# Altium PCB Mynd_Main.PcbDoc (part 2 of 5)
Units mm, origin at the board's own origin, x right, y up, seen from the top; angles counter-clockwise.
Board outline 75 x 136 mm, 4 copper layers (Component Side, Mid Layer 1, Mid Layer 2, Solder Side), stack 1.58 mm thick; 561 components, 261 nets, 1529 pads, 1417 vias.
Unrouted connection lines stored in the file: 7.
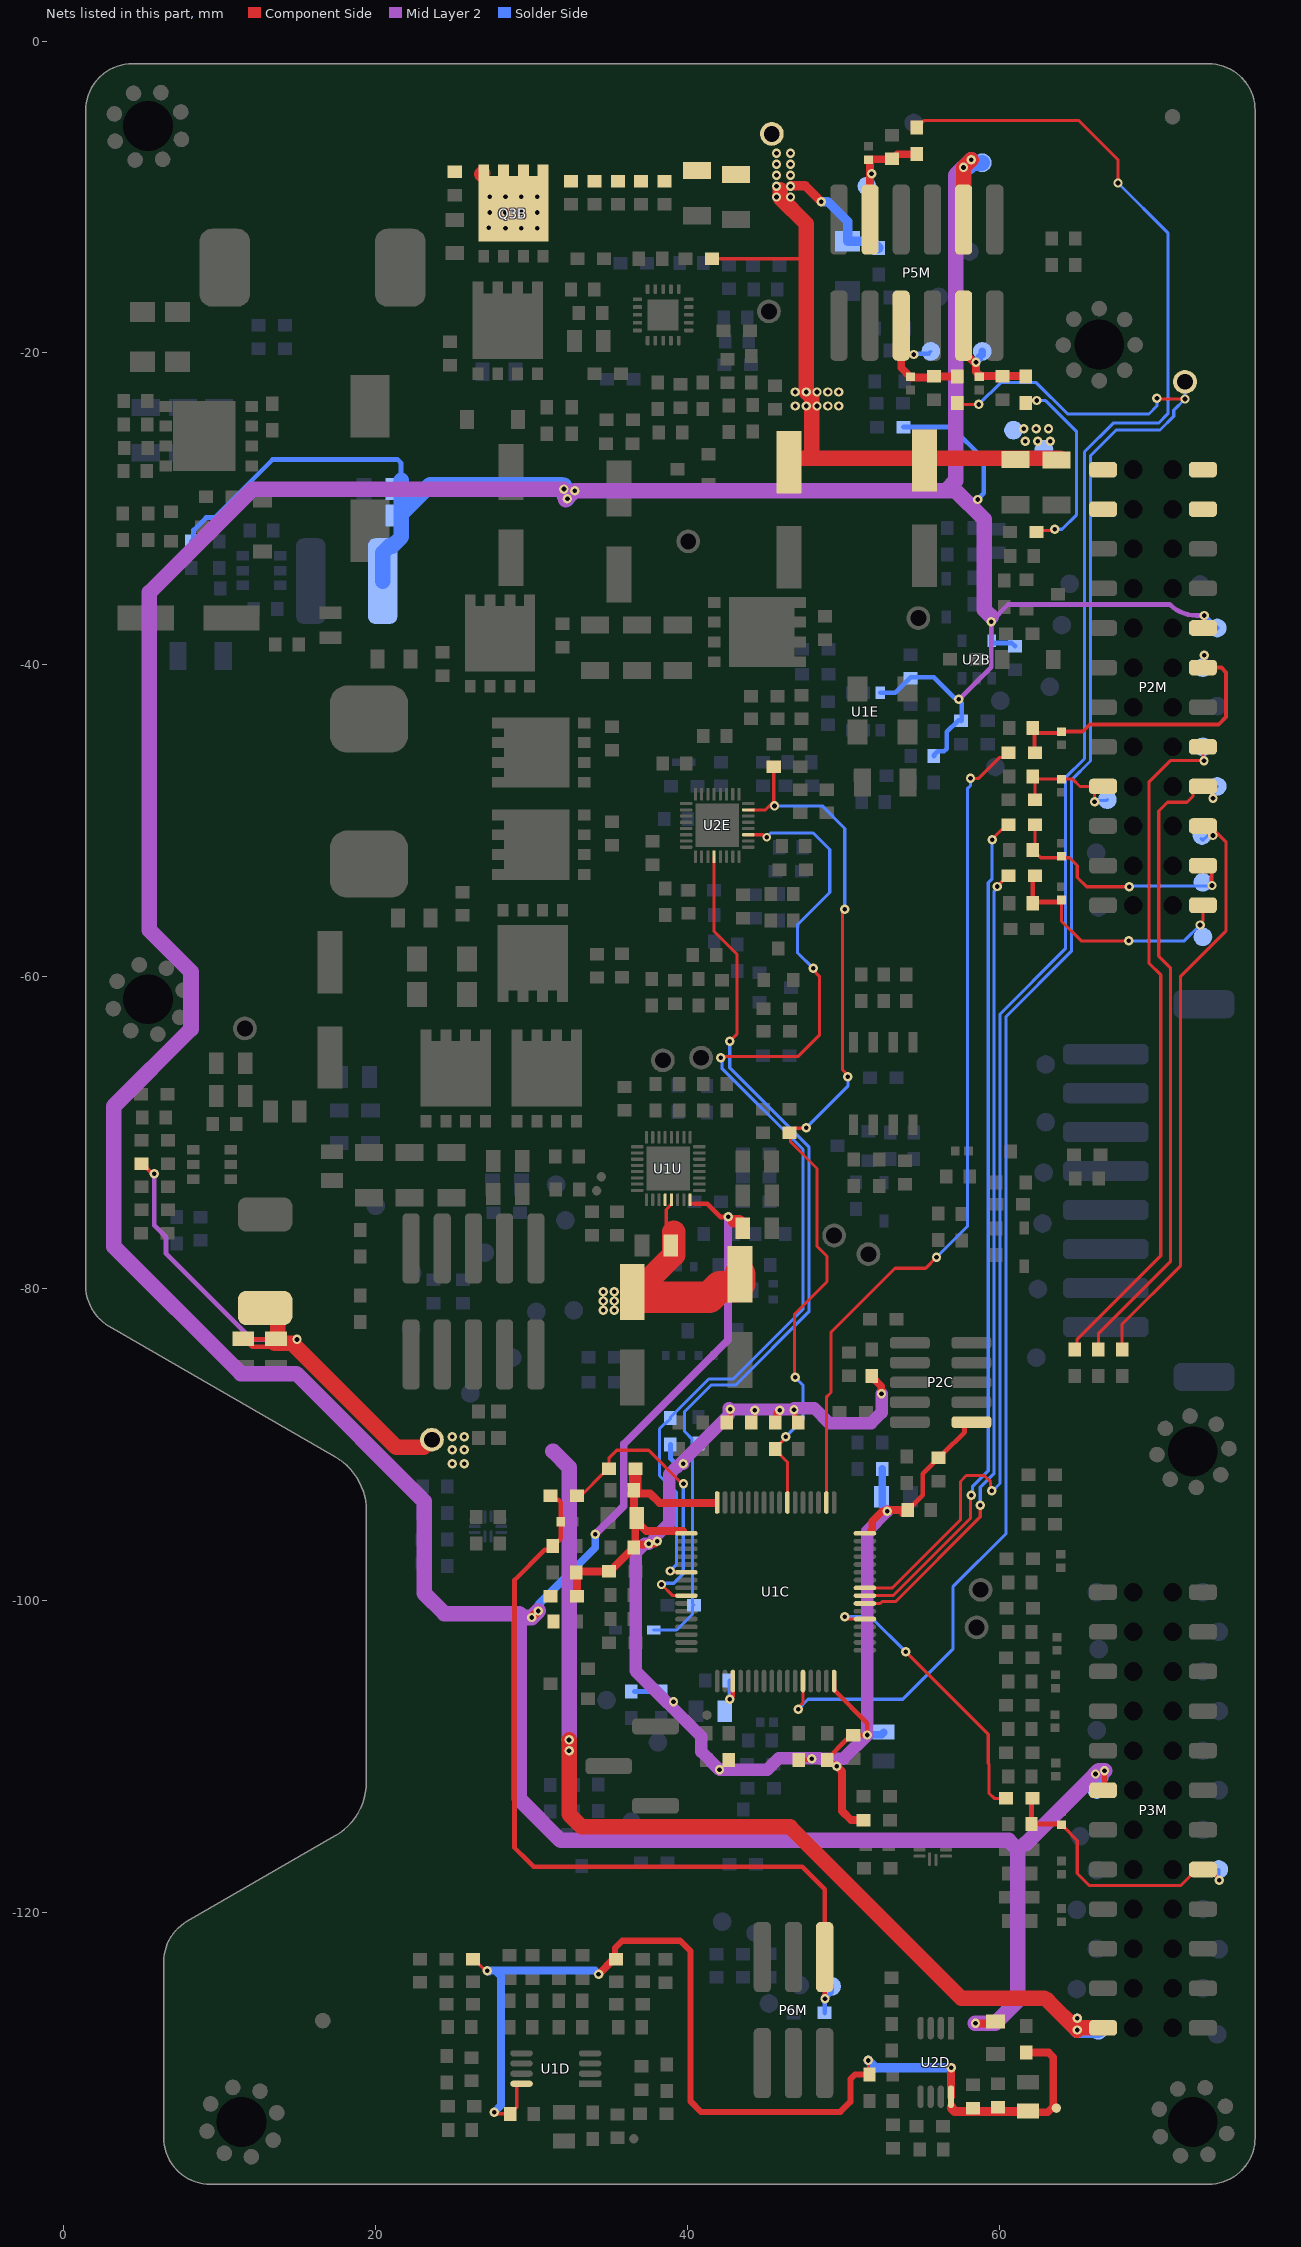
[diagram p4: the nets of this part, all layers, seen from the top]

## Part data
C1B: library part P-001-0080-19, "PSHF SMD M CAP 2.2nF 50V ±10% 0603 X7R", Manufacturer="Multi Sourced", Temp_Coefficient=X7R, Tolerance=±10%, Voltage=50V, Part_Number=Generic, Part_Type="Capacitor ceramic SMT", TemperatureRange=X7R
C1C C6B C7B C9E C12E C17C C18B C19B C20B C22C C24C C24E C26C C26E C27C C27E C28C C29C C30C C31C C33C C40E C41E C44E C50E C51E: library part P-001-0074-61, "PSHF SMD M CAP 100nF 50V ±10% 0603 X7R", Manufacturer="Multi Sourced", Temp_Coefficient=X7R, Tolerance=±10%, Voltage=50V, Part_Number=Generic, Part_Type="Capacitor ceramic SMT", TemperatureRange=X7R
C1D C8D C10D C14D C32B: library part P-001-0386-16, "PSHF SMD M CAP 47pF 50V ±5% 0603 NPO", Manufacturer="Multi Sourced", Temp_Coefficient=NPO, Tolerance=±5%, Voltage=50V, Part_Number=Generic, Part_Type="Capacitor ceramic SMT", TemperatureRange=NPO
C1E C7E C8E C13E C14B C14E C15B C15E C16B C28E: library part P-001-0195-15, "PSHF SMD M CAP 22uF 25V ±20% 1206 X5R", Manufacturer="Multi Sourced", Temp_Coefficient=X5R, Tolerance=±20%, Voltage=25V, Part_Number=Generic, Part_Type="Capacitor ceramic SMT", TemperatureRange=X5R
C1U C26B: library part P-001-0169-16, "PSHF SMD M CAP 4.7uF 25V ±10% 0805 X7R", Manufacturer="Multi Sourced", Temp_Coefficient=X7R, Tolerance=±10%, Voltage=25V, Part_Number=Generic, Part_Type="Capacitor ceramic SMT", TemperatureRange=X7R
C2B C11E: library part P-001-0073-48, "PSHF SMD M CAP 1nF 50V ±10% 0603 X7R", Manufacturer="Multi Sourced", Temp_Coefficient=X7R, Tolerance=±10%, Voltage=50V, Part_Number=Generic, Part_Type="Capacitor ceramic SMT", TemperatureRange=X7R
C2C C3C C4C C5C C6C C7C C8C C9C C10C C11C C12C C13C C14C C15C C16C C20C C21C C33E: library part P-001-0394-18, "PSHF SMD M CAP 33pF 50V ±5% 0603 NPO", Manufacturer="Multi Sourced", Temp_Coefficient=NPO, Tolerance=±5%, Voltage=50V, Part_Number=Generic, Part_Type="Capacitor ceramic SMT", TemperatureRange=NPO
C2D: library part P-001-0091-32, "PSHF SMD M CAP 4.7nF 50V ±10% 0603 X7R", Manufacturer="Multi Sourced", Temp_Coefficient=X7R, Tolerance=±10%, Voltage=50V, Part_Number=Generic, Part_Type="Capacitor ceramic SMT", TemperatureRange=X7R
C2E C3E: library part P-001-0381-16, "PSHF SMD M CAP 30pF 50V ±5% 0603 NPO", Manufacturer="Multi Sourced", Temp_Coefficient=NPO, Tolerance=±5%, Voltage=50V, Part_Number=Generic, Part_Type="Capacitor ceramic SMT", TemperatureRange=NPO
C2U C3U C23E: library part P-001-0174-47, "PSHF SMD M CAP 1uF 50V ±10% 0805 X7R", Manufacturer="Multi Sourced", Temp_Coefficient=X7R, Tolerance=±10%, Voltage=50V, Part_Number=Generic, Part_Type="Capacitor ceramic SMT", TemperatureRange=X7R
C3B C7D C10E C25E C30B: library part P-001-0058-45, "PSHF SMD M CAP 10nF 50V ±10% 0603 X7R", Manufacturer="Multi Sourced", Temp_Coefficient=X7R, Tolerance=±10%, Voltage=50V, Part_Number=Generic, Part_Type="Capacitor ceramic SMT", TemperatureRange=X7R
C3D C6D C11D C13D: library part P-001-0035-30, "GPHF SMD M CAP 100nF 25V ±10% 0603 X7R", Manufacturer="Multi Sourced", Temp_Coefficient=X7R, Tolerance=±10%, Voltage=25V, Part_Number=Generic, Part_Type="Capacitor ceramic SMT", TemperatureRange=X7R
C4B C5B C13B C13U C14U C16D C17D C18D C19U C34B: library part P-001-0035-28, "PSHF SMD M CAP 100nF 25V ±10% 0603 X7R", Manufacturer="Multi Sourced", Temp_Coefficient=X7R, Tolerance=±10%, Voltage=25V, Part_Number=Generic, Part_Type="Capacitor ceramic SMT", TemperatureRange=X7R
C4D C12D: library part P-001-0069-18, "PSHF SMD M CAP 470nF 25V ±10% 0603 X7R", Manufacturer="Multi Sourced", Temp_Coefficient=X7R, Tolerance=±10%, Voltage=25V, Part_Number=Generic, Part_Type="Capacitor ceramic SMT", TemperatureRange=X7R
C4E: library part P-001-0142-39, "PS SMD COND ELECT 220uF 35V ±20% 105℃", Manufacturer=Multi-Sourced, TemperatureRange=105℃, Tolerance=±20%, Voltage=35V, Part_Number=Generic, Part_Type="Capacitor electrolytic SMT"
C4U C7U C9D C9U C11U C15D C23C C25C C32C C35C: library part P-001-0158-27, "PSHF SMD M CAP 10uF 16V ±10% 0805 X7R", Manufacturer="Multi Sourced", Temp_Coefficient=X7R, Tolerance=±10%, Voltage=16V, Part_Number=Generic, Part_Type="Capacitor ceramic SMT", TemperatureRange=X7R
C5D: library part P-001-0048-15, "PSHF SMD M CAP 150nF 25V ±10% 0603 X7R", Manufacturer="Multi Sourced", Temp_Coefficient=X7R, Tolerance=±10%, Voltage=25V, Part_Number=Generic, Part_Type="Capacitor ceramic SMT", TemperatureRange=X7R
C5E C6E: library part P-001-0307-14, "PS SMD COND ELECT 47uF 35V ±20% 105℃", Manufacturer=Multi-Sourced, TemperatureRange=105℃, Tolerance=±20%, Voltage=35V, Part_Number=Generic, Part_Type="Capacitor electrolytic SMT"
C5U C6U: library part P-001-0308-17, "PS SMD COND ELECT 100uF 16V ±20% 105℃", Manufacturer="Multi Sourced", TemperatureRange=105℃, Tolerance=±20%, Voltage=16V, Part_Number=Generic, Part_Type="Capacitor electrolytic SMT"
C8B C9B C21B C22B C43E: library part P-001-0200-18, "PSHF SMD M CAP 10uF 50V ±10% 1206 X5R", Manufacturer="Multi Sourced", Temp_Coefficient=X5R, Tolerance=±10%, Voltage=50V, Part_Number=Generic, Part_Type="Capacitor ceramic SMT", TemperatureRange=X5R
C8U: library part P-001-0127-42, "GPHF $ SMD M CAP 2.2uF 50V ±10% 0805 X5R", Manufacturer="Multi Sourced", Temp_Coefficient=X5R, Tolerance=±10%, Voltage=50V, Part_Number=Generic, Part_Type="Capacitor ceramic SMT", TemperatureRange=X5R
C10B C12B: library part P-001-0775-3, "SMD COND ELECT 220μF 35V ±20% 105°C SHOUKE", Manufacturer=Multi-Sourced, TemperatureRange=105°C, Tolerance=±20%, Voltage=35V, Part_Number=Generic, Part_Type="Capacitor electrolytic SMT"
C10U C12U: library part P-001-0636-13, "PSHF SMD M CAP 330pF 50V ±10% 0603 X7R", Manufacturer="Multi Sourced", Temp_Coefficient=X7R, Tolerance=±10%, Voltage=50V, Part_Number=Generic, Part_Type="Capacitor ceramic SMT", TemperatureRange=X7R
C11B: library part P-001-0735-6, "GPHF SMD COND ELECT 330μF 35V ±20% -40-+105℃ 10x10.5mm", Manufacturer=Multi-Sourced, TemperatureRange=-40-+105℃, Tolerance=±20%, Voltage=35V, Part_Number=Generic, Part_Type="Capacitor electrolytic SMT"
C15U C18U: library part P-001-0008-46, "GPHF SMD M CAP 100nF 50V ±5% 0603 X7R", Manufacturer="Multi Sourced", Temp_Coefficient=X7R, Tolerance=±5%, Voltage=50V, Part_Number=Generic, Part_Type="Capacitor ceramic SMT", TemperatureRange=X7R
C16E C17E: library part P-001-0095-32, "PSHF SMD M CAP 33nF 50V ±10% 0603 X7R", Manufacturer="Multi Sourced", Temp_Coefficient=X7R, Tolerance=±10%, Voltage=50V, Part_Number=Generic, Part_Type="Capacitor ceramic SMT", TemperatureRange=X7R
C16U C17U: library part P-001-0387-48, "GPHF SMD M CAP 330pF 50V ±5% 0603 NPO", Manufacturer="Multi Sourced", Temp_Coefficient=NPO, Tolerance=±5%, Voltage=50V, Part_Number=Generic, Part_Type="Capacitor ceramic SMT", TemperatureRange=NPO
C17B C28B: library part P-001-0393-16, "PSHF SMD M CAP 470pF 50V ±5% 0603 NPO", Manufacturer="Multi Sourced", Temp_Coefficient=NPO, Tolerance=±5%, Voltage=50V, Part_Number=Generic, Part_Type="Capacitor ceramic SMT", TemperatureRange=NPO
C18C C21D C22D C23D C24D: library part P-001-0647-10, "GPHF SMD CAP 470pF 50V 10%", Manufacturer="Multi Sourced", Temp_Coefficient=X7R, Tolerance=±10%, Voltage=50V, Part_Number=Generic, Part_Type="Capacitor ceramic SMT", TemperatureRange=X7R
C18E C20E: library part P-001-0094-25, "PSHF SMD M CAP 47nF 50V ±10% 0603 X7R", Manufacturer="Multi Sourced", Temp_Coefficient=X7R, Tolerance=±10, Voltage=50V, Part_Number=Generic, Part_Type="Capacitor ceramic SMT", TemperatureRange=X7R
C19C C36C: library part P-001-0244-44, "GPHF SMD M CAP 22pF 50V ±5% 0603 NPO", Manufacturer="Multi Sourced", Temp_Coefficient=NPO, Tolerance=±5%, Voltage=50V, Part_Number=Generic, Part_Type="Capacitor ceramic SMT", TemperatureRange=NPO
C19D C20D: library part P-001-0407-39, "GPHF SMD M CAP 4.7uF 16V ±10% 0603 X5R", Manufacturer="Multi Sourced", Temp_Coefficient=X5R, Tolerance=±10%, Voltage=16V, Part_Number=Generic, Part_Type="Capacitor ceramic SMT", TemperatureRange=X5R
C19E C21E: library part P-001-0063-16, "PSHF SMD M CAP 150pF 50V ±10% 0603 X7R", Manufacturer="Multi Sourced", Temp_Coefficient=X7R, Tolerance=±10%, Voltage=50V, Part_Number=Generic, Part_Type="Capacitor ceramic SMT", TemperatureRange=X7R
C22E: library part P-001-0125-21, "PSHF SMD M CAP 470nF 50V ±10% 0603 X7R", Manufacturer="Multi Sourced", Temp_Coefficient=X7R, Tolerance=±10%, Voltage=50V, Part_Number=Generic, Part_Type="Capacitor ceramic SMT", TemperatureRange=X7R
C23B C32E C33B C36E C37E C38E: library part P-001-0637-10, "PSHF SMD M CAP 100pF 50V ±10% 0603 X7R", Manufacturer="Multi Sourced", Temp_Coefficient=X7R, Tolerance=±10%, Voltage=50V, Part_Number=Generic, Part_Type="Capacitor ceramic SMT", TemperatureRange=X7R
C24B C27B: library part P-001-0074-64, "GPHF SMD M CAP 100nF 50V ±10% 0603 X7R", Manufacturer="Multi Sourced", Temp_Coefficient=X7R, Tolerance=±10%, Voltage=50V, Part_Number=Generic, Part_Type="Capacitor ceramic SMT", TemperatureRange=X7R
C25B: library part P-001-0029-20, "PSHF SMD M CAP 1uF 25V ±10% 0603 X7R", Manufacturer="Multi Sourced", Temp_Coefficient=X7R, Tolerance=±10%, Voltage=25V, Part_Number=Generic, Part_Type="Capacitor ceramic SMT", TemperatureRange=X7R
C29B C31B C35B: library part P-001-0103-25, "PSHF SMD M CAP 6.8nF 50V ±10% 0603 X7R", Manufacturer="Multi Sourced", Temp_Coefficient=X7R, Tolerance=±10%, Voltage=50V, Part_Number=Generic, Part_Type="Capacitor ceramic SMT", TemperatureRange=X7R
C29E: library part P-001-0065-40, "PSHF SMD M CAP 1uF 50V ±10% 0603 X7R", Manufacturer="Multi Sourced", Temp_Coefficient=X7R, Tolerance=±10%, Voltage=50V, Part_Number=Generic, Part_Type="Capacitor ceramic SMT", TemperatureRange=X7R
C30E: library part P-001-0424-41, "PSHF SMD M CAP 2.2uF 25V ±10% 0603 X5R", Manufacturer="Multi Sourced", Temp_Coefficient=X5R, Tolerance=±10%, Voltage=25V, Part_Number=Generic, Part_Type="Capacitor ceramic SMT", TemperatureRange=X5R
C31E: library part P-001-0012-32, "GPHF SMD M CAP 470nF 50V ±10% 0603 X5R", Manufacturer="Multi Sourced", Temp_Coefficient=X5R, Tolerance=±10%, Voltage=50V, Part_Number=Generic, Part_Type="Capacitor ceramic SMT", TemperatureRange=X5R
C34C: library part P-001-0040-42, "PSHF SMD M CAP 1uF 16V ±10% 0603 X7R", Manufacturer="Multi Sourced", Temp_Coefficient=X7R, Tolerance=±10%, Voltage=16V, Part_Number=Generic, Part_Type="Capacitor ceramic SMT", TemperatureRange=X7R
C34E C55E: library part P-001-0639-12, "PSHF SMD M CAP 15pF 50V ±5% 0603 NPO", Manufacturer="Multi Sourced", Temp_Coefficient=NPO, Tolerance=±5%, Voltage=50V, Part_Number=Generic, Part_Type="Capacitor ceramic SMT", TemperatureRange=NPO
C35E: library part P-001-0076-17, "PSHF SMD M CAP 1.8nF 50V ±10% 0603 X7R", Manufacturer="Multi Sourced", Temp_Coefficient=X7R, Tolerance=±10%, Voltage=50V, Part_Number=Generic, Part_Type="Capacitor ceramic SMT", TemperatureRange=X7R
C36B: library part P-001-0769-2, "SMD M CAP 330nF 50V ±10% 0603 X7R", Manufacturer="Multi Sourced", Temp_Coefficient=X7R, Tolerance=±10%, Voltage=50V, Part_Number=Generic, Part_Type="Capacitor ceramic SMT", TemperatureRange=X7R
C37B: library part P-001-0034-20, "GPHF SMD M CAP 1uF 10V ±10% 0603 X7R", Manufacturer="Multi Sourced", Temp_Coefficient=X7R, Tolerance=±10%, Voltage=10V, Part_Number=Generic, Part_Type="Capacitor ceramic SMT", TemperatureRange=X7R
C37C: library part P-001-0073-51, "GPHF SMD M CAP 1nF 50V ±10% 0603 X7R", Manufacturer="Multi Sourced", Temp_Coefficient=X7R, Tolerance=±10%, Voltage=50V, Part_Number=Generic, Part_Type="Capacitor ceramic SMT", TemperatureRange=X7R
C39E: library part P-001-0346-18, "PSHF SMD M CAP 1.2nF 50V ±10% 0402 X7R", Manufacturer="Multi Sourced", Temp_Coefficient=X7R, Tolerance=±10%, Voltage=50V, Part_Number=Generic, Part_Type="Capacitor ceramic SMT", TemperatureRange=X7R
C42E: library part P-001-0307-15, "PS SMD COND ELECT 47uF 35V ±20% 105℃", Manufacturer=Multi-Sourced, TemperatureRange=105℃, Tolerance=±20%, Voltage=35V, Part_Number=Generic, Part_Type="Capacitor electrolytic SMT"
C45E C46E C56E C57E: library part P-001-0128-57, "PSHF SMD M CAP 22uF 10V ±20% 0805 X5R", Manufacturer="Multi Sourced", Temp_Coefficient=X5R, Tolerance=±20%, Voltage=10V, Part_Number=Generic, Part_Type="Capacitor ceramic SMT", TemperatureRange=X5R
C49E: library part P-001-0065-43, "GPHF SMD M CAP 1uF 50V ±10% 0603 X7R", Manufacturer="Multi Sourced", Temp_Coefficient=X7R, Tolerance=±10%, Voltage=50V, Part_Number=Generic, Part_Type="Capacitor ceramic SMT", TemperatureRange=X7R
C52E C53E C54E: library part P-001-0127-40, "PSHF SMD M CAP 2.2uF 50V ±10% 0805 X5R", Manufacturer="Multi Sourced", Temp_Coefficient=X5R, Tolerance=±10%, Voltage=50V, Part_Number=Generic, Part_Type="Capacitor ceramic SMT", TemperatureRange=X5R
C58E: library part P-001-0827-3, "SMD M CAP 1nF 250V ±10% 0603 X7R", Manufacturer="Multi Sourced", Temp_Coefficient=X7R, Tolerance=±10%, Voltage=250V, Part_Number=Generic, Part_Type="Capacitor ceramic SMT", TemperatureRange=X7R
D1B D1E: library part R-001-0072-13, "PS SMD DIODE 2P SOD-123 B5819W CJ", Current=1A, Manufacturer=[CJ], Voltage=40V, Part_Number=B5819W, Part_Type="Semiconductor Diode SMT"
D1C: library part R-001-0027-12, "PS SMD DIODE 3P 30V SOT-23 BAT54C CJ", Current=0.2A, Manufacturer=[CJ], Voltage=30V, Part_Number=BAT54C, Part_Type="Semiconductor Diode SMT"
D1U D2B D3C D4C: library part R-001-0029-31, "GP SMD DIODE 2P 30V SOD323 BAT54WS PANJIT", Current=0.2A, Manufacturer=PANJIT, Voltage=30V, Part_Number=BAT54WS, Part_Type="Semiconductor Diode SMT"
D2C: library part R-001-0336-16, "GP SMD ZENER 3.3V 0.5W SOD-123 CJ", Manufacturer=[CJ], Voltage=3.3V, Part_Number=BZT52C3V3, Part_Type="Semiconductor Diode Zener"
ESD1C: library part R-001-1347-2, "SMD TVS 2P DFN1006 BDFN2C121V", Manufacturer=|, Part_Number=BDFN2C121V, Part_Type="Semiconductor Diode TVS"
ESD2C ESD3C ESD4C ESD5C ESD6C ESD7C ESD8C ESD9C ESD10C ESD11C ESD12C ESD13C ESD14C ESD15C ESD16C ESD17C ESD18C: library part R-001-0237-38, "GP SMD TVS 2P DFN1006-2 AU3321P1 APM", Manufacturer=APM, Voltage=3.3V, Part_Number=AU3321P1, Part_Type="Semiconductor Diode TVS"
FB1C FB3C FB5C FB6C FB7C FB8C FB9C FB10C FB12C FB14C FB15C FB16C FB17C FB18C FB19C: library part S-001-0008-33, "PSHF SMD FERRITE BEAD 600OHM 25% 0603", Current=2A, Frequency=100MHZ, Manufacturer=TSA, Tolerance=1:25%, Part_Number=HCB1608KF-601T20, Part_Type="Ferrite Bead SMT"
FB1D: library part S-001-0006-21, "PS SMD FERRITE BEAD 600OHM 25% 0603", Current=0.5A, Frequency=100MHz, Manufacturer=[TSA], Tolerance=1:25%, Part_Number=FCM1608KF-601T05, Part_Type="Ferrite Bead SMT"
FB1E: library part S-001-0018-20, "GPHF SMD BEAD 120 OHM 5A 25% 0805", Current=5A, Frequency=100MHz, Manufacturer=Tai-Tech, Tolerance=1:25%, Part_Number=HCB2012KF-121T50, Part_Type="Ferrite Bead SMT"
FB2C FB4C FB11C FB13C: library part Q-001-0059-31, "GPHF SMD RES. 33OHM 1/10W 5% 0603", Manufacturer=Multi-Sourced, Temp_Coefficient=150ppm, Tolerance=5%, Part_Number=Generic, Part_Type="Resistor SMT", Wattage=1/10W
L1B: library part S-001-0418-2, "SMD INDUCTOR 4.7μH 100KHz NORM", Current=14A, Frequency=100KHz, Manufacturer="CET CHAMPI", Tolerance=7:20%, Part_Number=CET1265H-4R7M-P, Part_Type="Inductor SMT"
L1E: library part S-001-0101-15, "SMD INDUCTOR 2.2μH NORM", Current=12.2A, Manufacturer="[CET CHAMPIONS]", Tolerance=7:20%, Part_Number=CET1040H-2R2M-PZY, Part_Type="Inductor SMT"
L1U: library part S-001-0426-3, "COMMON MODE COIL 90Ohm 100MHz 400mA", Current=400mA, Frequency=100MHz, Manufacturer="CET CHAMPI", Part_Number=CET2012A-900S, Part_Type="Coil common Mode SMT"
L2E: library part S-001-0415-2, "SMD INDUCTOR 3.3μH 100KHz NORM", Current=3.15A, Frequency=100KHz, Manufacturer=TSA, Tolerance=7:20%, Part_Number=SNR6020B-3R3NT, Part_Type="Inductor SMT"
L3E: library part S-001-0042-38, "GP SMD INDUCTOR 10uH 1MHz 1V NORM", Current=4A, Frequency=1MHz, Manufacturer=[CHAMPIONS], Tolerance=7:20%, Voltage=1V, Part_Number=CET0630T-100M-B, Part_Type="Inductor SMT"
MH1M MH2M MH3M MH4M MH5M MH6M: library part N-001-00011-1
MK1M MK2M: library part N-001-00003-2, "MARK DOT", Design Item ID=MARK
P1C: library part C-001-0512-9, "GP HEADER PIN 3P P=2.54mm 90° GOLD", Manufacturer=[null], Part_Number="3P PITCH=2.54mm", Part_Type="Connector SMT"
P1M: library part C-001-1108-2, "SMD WTB CONNECTOR 8P P2.5mm TIN", Part_Number=WT250MW-084R-0W, Part_Type="Connector SMT", System=Connector
P2C: library part C-001-1091-2, "SMD BTB CONNECTOR 10P P1.27mm GOLD", Manufacturer=MINGHENG, Part_Number="1.27PH 2X5P H2.0 SMT", Part_Type="Connector SMT"
P2M P3M: library part C-001-1097-2, "SMD BTB CONNECTOR 24P P2.54mm GOLD", Manufacturer=MINGHENG, Part_Number="2.54FH 2x12Pin H3.55 SMT", Part_Type="Connector SMT", System=Connector
P4M: library part C-001-1143-2, "SMD WTB CONNECTOR 10P P2.0mm TIN", Manufacturer=MINGHENG, Part_Number=WB200AL-10, Part_Type="Connector SMT", System=Connector
P5M: library part C-001-1264-2, "SMD WTB CONNECTOR 12P P2.0mm TIN", Manufacturer=MINGHENG, Part_Number=WB200AL-12, Part_Type="Connector SMT", System=Connector
P6M: library part C-001-1142-3, "SMD WTB CONNECTOR 6P P2.0mm TIN", Manufacturer=MINGHENG, Part_Number=WB200AL-06, Part_Type="Connector SMT", System=Connector
Q1B: library part R-001-1701-2, "SMD FET 8P 30V PDFN5x6-8L JMTG080P03A JJW", Current=50A, Manufacturer=JJW, Voltage=30, Part_Number=JMTG080P03A, Part_Type="Semiconductor Transistor SMT"
Q1C Q3C: library part R-001-1323-4, "GS SMD FET 3P -30V SOT-23 CJ3401 CJ", Current=-4.2V, Manufacturer=[CJ], Voltage=-30, Part_Number=CJ3401, Part_Type="Semiconductor Transistor SMT"
Q1E Q2E Q3E Q4E: library part R-001-0189-22, "PSHF SMD FET 8P DFN8 AP4024GEMT-HF APEC", Current=60A, Manufacturer=APEC, Voltage=30V, Part_Number=AP4024GEMT-HF, Part_Type="Semiconductor Transistor SMT"
Q1U Q2U: library part R-001-0189-21, "PS SMD FET 8P DFN8 AP4024GEMT-HF APEC", Current=60A, Manufacturer=[APEC], Voltage=30V, Part_Number=AP4024GEMT-HF, Part_Type="Semiconductor Transistor SMT"
Q2B Q3B: library part R-001-1702-2, "SMD FET 8P 40V PDFN5x6-8L JMTG60N04B JJW", Current=50A, Manufacturer=JJW, Voltage=40, Part_Number=JMTG60N04B, Part_Type="Semiconductor Transistor SMT"
Q2C Q3U Q4C: library part R-001-0217-30, "GP SMD FET 3P SOT23 2N7002K CTE", Current=300MA, Manufacturer=CTE, Voltage=60V, Part_Number=2N7002K, Part_Type="Semiconductor Transistor SMT"
Q4B Q5B Q6B Q6E Q7B Q7E: library part R-001-0217-29, "GP SMD FET 3P SOT23 2N7002K CTE", Current=300MA, Manufacturer=CTE, Voltage=60V, Part_Number=2N7002K, Part_Type="Semiconductor Transistor SMT"
Q4U Q5U: library part R-001-1323-5, "GPHF SMD FET 3P -30V SOT-23 CJ3401 CJ", Current=-4.2V, Manufacturer=CJ, Voltage=-30, Part_Number=CJ3401, Part_Type="Semiconductor Transistor SMT"
Q5E: library part R-001-1697-3, "SMD FET 8P 30V PDFN5X6 SSC8039GN6 SSC", Current=64A, Manufacturer=SSC, Voltage=30, Part_Number=SSC8039GN6, Part_Type="Semiconductor Transistor SMT"
Q6U Q7U: library part R-001-0313-12, "GP FET 3P AO3402 SOT23 ALPHA 30V/4A", Current=4A, Manufacturer=AOS, Voltage=30V, Part_Number=AO3402, Part_Type="Semiconductor Transistor SMT"
R1B: library part Q-001-0668-17, "PS SMD RES. 2OHM 1/8W 5% 0805", Manufacturer=Multi-Sourced, Temp_Coefficient=150ppm, Tolerance=1%, Part_Number=Generic, Part_Type="Resistor SMT", Wattage=1/8W
R1C R9C R11C R13C R13E R15C R16U R17C R17U R18C R18E R18U R19U R20C R21U R22B R22C R22U R27E R28E R29C R29U R30U R33C R34C R35B R35E R43E R50E: library part Q-001-0036-48, "PS SMD RES. 10KOHM 1/10W 1% 0603", Manufacturer=Multi-Sourced, Temp_Coefficient=150ppm, Tolerance=1%, Part_Number=Generic, Part_Type="Resistor SMT", Wattage=1/10W
R1D R3D R5D R8D R13D R14D R16D R17D: library part Q-001-0036-51, "GPHF SMD RES. 10KOHM 1/10W 1% 0603", Manufacturer=Multi-Sourced, Temp_Coefficient=150ppm, Tolerance=1%, Part_Number=Generic, Part_Type="Resistor SMT", Wattage=1/10W
R1E R4E: library part Q-001-0995-2, "SMD METAL FILM RES. 20mohm 1W 1% 1206 WALTER", Manufacturer=WALTER, Temp_Coefficient=150ppm, Tolerance=1%, Part_Number=STE1206M1W0R020FS, Part_Type="Resistor SMT", Wattage=1W
R1U R12B: library part Q-001-0403-21, "PS SMD RES. 3.3OHM 1/10W 1% 0603", Manufacturer=Multi-Sourced, Temp_Coefficient=150ppm, Tolerance=1%, Part_Number=Generic, Part_Type="Resistor SMT", Wattage=1/10W
R2B R4B: library part Q-001-0993-2, "SMD METAL FILM RES. 5mohm 1W 1% 1206 WALTER", Manufacturer=WALTER, Temp_Coefficient=150ppm, Tolerance=1%, Part_Number=STE1206M1W0R005FS, Part_Type="Resistor SMT", Wattage=1W
R2C R8B R23E R29E R30B: library part Q-001-0378-19, "PS SMD RES. 330KOHM 1/10W 1% 0603", Manufacturer=Multi-Sourced, Temp_Coefficient=150ppm, Tolerance=1%, Part_Number=Generic, Part_Type="Resistor SMT", Wattage=1/10W
R2D: library part Q-001-0105-18, "PS SMD RES. 680KOHM 1/10W 5% 0603", Manufacturer=Multi-Sourced, Temp_Coefficient=150ppm, Tolerance=1%, Part_Number=Generic, Part_Type="Resistor SMT", Wattage=1/10W
R2E R3E: library part Q-001-0994-2, "SMD RES. 3.9Ohm 1/8W 1% 0805", Manufacturer=Multi-Sourced, Temp_Coefficient=150ppm, Tolerance=1%, Part_Number=Generic, Part_Type="Resistor SMT", Wattage=1/8W
R2U R4U R5B R6B R6U R7U R10B R10U R11B R11U R12C R14B R14C R16C R23U R24U R30C R44E: library part Q-001-0048-199, "PS SMD RES. 0OHM 1/10W 5% 0603", Manufacturer=Multi-Sourced, Temp_Coefficient=150ppm, Tolerance=1%, Part_Number=Generic, Part_Type="Resistor SMT", Wattage=1/10W
R3B R19C: library part Q-001-0432-19, "PS SMD RES. 470KOHM 1/10W 1% 0603", Manufacturer=Multi-Sourced, Temp_Coefficient=150ppm, Tolerance=1%, Part_Number=Generic, Part_Type="Resistor SMT", Wattage=1/10W
R3C R15B R24B R25B: library part Q-001-0033-26, "PS SMD RES. 1KOHM 1/10W 1% 0603", Manufacturer=Multi-Sourced, Temp_Coefficient=150ppm, Tolerance=1%, Part_Number=Generic, Part_Type="Resistor SMT", Wattage=1/10W
R3U R14U R25U R26U R33U R34U R37U R38B R38U R41U R42U: library part Q-001-0048-204, "GPHF SMD RES. 0OHM 1/10W 5% 0603", Manufacturer=Multi-Sourced, Temp_Coefficient=150ppm, Tolerance=5%, Part_Number=Generic, Part_Type="Resistor SMT", Wattage=1/10W
R4C: library part Q-001-0049-26, "PS SMD RES. 8.2KOHM 1/10W 1% 0603", Manufacturer=Multi-Sourced, Temp_Coefficient=150ppm, Tolerance=1%, Part_Number=Generic, Part_Type="Resistor SMT", Wattage=1/10W
R4D R15D: library part Q-001-0210-18, "PS SMD RES. 15OHM 1/10W 5% 0603", Manufacturer=Multi-Sourced, Temp_Coefficient=150ppm, Tolerance=1%, Part_Number=Generic, Part_Type="Resistor SMT", Wattage=1/10W
R5C R7C R22E: library part Q-001-0265-28, "PS SMD RES. 1.2KOHM 1/10W 1% 0603", Manufacturer=Multi-Sourced, Temp_Coefficient=150ppm, Tolerance=1%, Part_Number=Generic, Part_Type="Resistor SMT", Wattage=1/10W
R5E R6E: library part Q-001-0487-19, "PS SMD RES. 5.1OHM 1/10W 1% 0603", Manufacturer=Multi-Sourced, Temp_Coefficient=150ppm, Tolerance=1%, Part_Number=Generic, Part_Type="Resistor SMT", Wattage=1/10W
R5U R9U: library part Q-001-0304-23, "GPHF SMD RES. 13KOHM 1/10W 1% 0603", Manufacturer=Multi-Sourced, Temp_Coefficient=150ppm, Tolerance=1%, Part_Number=Generic, Part_Type="Resistor SMT", Wattage=1/10W
R6C R8C R10C R28C: library part Q-001-0048-199, "PS SMD RES. 0OHM 1/10W 5% 0603", Manufacturer=Multi-Sourced, Temp_Coefficient=150ppm, Tolerance=5%, Part_Number=Generic, Part_Type="Resistor SMT", Wattage=1/10W
R6D: library part Q-001-0486-22, "PS SMD RES. 560OHM 1/10W 1% 0603", Manufacturer=Multi-Sourced, Temp_Coefficient=150ppm, Tolerance=1%, Part_Number=Generic, Part_Type="Resistor SMT", Wattage=1/10W
R7B: library part Q-001-0992-2, "SMD RES. 8.2Ohm 1/8W 1% 0805", Manufacturer=Multi-Sourced, Temp_Coefficient=150ppm, Tolerance=1%, Part_Number=Generic, Part_Type="Resistor SMT", Wattage=1/8W
R7D: library part Q-001-0319-26, "PS SMD RES. 1.5KOHM 1/10W 1% 0603", Manufacturer=Multi-Sourced, Temp_Coefficient=150ppm, Tolerance=1%, Part_Number=Generic, Part_Type="Resistor SMT", Wattage=1/10W
R7E: library part Q-001-0416-22, "PS SMD RES. 1Ohm 1/10W 1% 0603", Manufacturer=Multi-Sourced, Temp_Coefficient=150ppm, Tolerance=1%, Part_Number=Generic, Part_Type="Resistor SMT", Wattage=1/10W
R8E R9E: library part Q-001-0191-17, "PS SMD RES. 56OHM 1/8W 5% 0805", Manufacturer=Multi-Sourced, Temp_Coefficient=150ppm, Tolerance=5%, Part_Number=Generic, Part_Type="Resistor SMT", Wattage=1/8W
R8U: library part Q-001-0058-52, "GPHF SMD RES. 10KOHM 1/10W 5% 0603", Manufacturer=Multi-Sourced, Temp_Coefficient=150ppm, Tolerance=5%, Part_Number=Generic, Part_Type="Resistor SMT", Wattage=1/10W
R9B: library part Q-001-0372-31, "PS SMD RES. 22KOHM 1/10W 1% 0603", Manufacturer=Multi-Sourced, Temp_Coefficient=150ppm, Tolerance=1%, Part_Number=Generic, Part_Type="Resistor SMT", Wattage=1/10W
R9D R11D: library part Q-001-0032-52, "PS SMD RES. 100KOHM 1/10W 1% 0603", Manufacturer=Multi-Sourced, Temp_Coefficient=150ppm, Tolerance=1%, Part_Number=Generic, Part_Type="Resistor SMT", Wattage=1/10W
R10D R12D R18D R19D R23B R41E: library part Q-001-0388-42, "PS SMD RES. 33KOHM 1/10W 1% 0603", Manufacturer=Multi-Sourced, Temp_Coefficient=150ppm, Tolerance=1%, Part_Number=Generic, Part_Type="Resistor SMT", Wattage=1/10W
R10E R19E R20E R47E: library part Q-001-0043-23, "PS SMD RES. 10OHM 1/10W 1% 0603", Manufacturer=Multi-Sourced, Temp_Coefficient=150ppm, Tolerance=1%, Part_Number=Generic, Part_Type="Resistor SMT", Wattage=1/10W
R11E R21E: library part Q-001-0043-26, "GPHF SMD RES. 10OHM 1/10W 1% 0603", Manufacturer=Multi-Sourced, Temp_Coefficient=150ppm, Tolerance=1%, Part_Number=Generic, Part_Type="Resistor SMT", Wattage=1/10W
R12E: library part Q-001-0485-23, "PS SMD RES. 68KOHM 1/10W 1% 0603", Manufacturer=Multi-Sourced, Temp_Coefficient=150ppm, Tolerance=1%, Part_Number=Generic, Part_Type="Resistor SMT", Wattage=1/10W
R12U R13U R27U: library part Q-001-0707-47, "PS SMD RES. 2.2KOHM 1/10W 1% 0603", Manufacturer=Multi-Sourced, Temp_Coefficient=150ppm, Tolerance=1%, Part_Number=Generic, Part_Type="Resistor SMT", Wattage=1/10W
R13B: library part Q-001-0430-26, "PS SMD RES. 39KOHM 1/10W 1% 0603", Manufacturer=Multi-Sourced, Temp_Coefficient=150ppm, Tolerance=1%, Part_Number=Generic, Part_Type="Resistor SMT", Wattage=1/10W
R14E R15E: library part Q-001-0993-3, "SMD METAL FILM RES. 5mohm 1W 1% 1206 WALTER", Manufacturer=WALTER, Temp_Coefficient=150ppm, Tolerance=1%, Part_Number=STE1206M1W0R005FS, Part_Type="Resistor SMT", Wattage=1W
R15U R32C R36B R41C: library part Q-001-0091-19, "PS SMD RES. 4.7MOHM 1/10W 5% 0603", Manufacturer=Multi-Sourced, Temp_Coefficient=150ppm, Tolerance=5%, Part_Number=Generic, Part_Type="Resistor SMT", Wattage=1/10W
R16B: library part Q-001-0026-23, "PS SMD RES. 82KOHM 1/10W 1% 0603", Manufacturer=Multi-Sourced, Temp_Coefficient=150ppm, Tolerance=5%, Part_Number=Generic, Part_Type="Resistor SMT", Wattage=1/10W
R16E R20B R24E R27B R33E R37E R39E R40E R42E R45E R46E R51E: library part Q-001-0032-53, "PS SMD RES. 100KOHM 1/10W 1% 0603", Manufacturer=Multi-Sourced, Temp_Coefficient=150ppm, Tolerance=1%, Part_Number=Generic, Part_Type="Resistor SMT", Wattage=1/10W
R17B: library part Q-001-0991-2, "SMD RES. 54.9KOhm 1/10W 1% 0603", Manufacturer=Multi-Sourced, Temp_Coefficient=150ppm, Tolerance=5%, Part_Number=Generic, Part_Type="Resistor SMT", Wattage=1/10W
R17E: library part Q-001-0893-8, "PS SMD RES. 120Kohm 1/10W 1% 0603", Manufacturer=Multi-Sourced, Temp_Coefficient=150ppm, Tolerance=1%, Part_Number=Generic, Part_Type="Resistor SMT", Wattage=1/10W
R18B: library part Q-001-0312-25, "PS SMD RES. 13.3KOHM 1/10W 1% 0603", Manufacturer=Multi-Sourced, Temp_Coefficient=150ppm, Tolerance=5%, Part_Number=Generic, Part_Type="Resistor SMT", Wattage=1/10W
R19B: library part Q-001-0687-23, "GPHF SMD RES. 18.2KOHM 1/10W 1% 0603", Manufacturer=Multi-Sourced, Temp_Coefficient=150ppm, Tolerance=1%, Part_Number=Generic, Part_Type="Resistor SMT", Wattage=1/10W
R20D: library part Q-001-0630-17, "PS SMD RES. 2.2OHM 1/8W 1% 0805", Manufacturer=Multi-Sourced, Temp_Coefficient=150ppm, Tolerance=1%, Part_Number=Generic, Part_Type="Resistor SMT", Wattage=1/8W
R20U R28U: library part Q-001-0256-20, "PS SMD RES. 100OHM 1/10W 1% 0603", Manufacturer=Multi-Sourced, Temp_Coefficient=150ppm, Tolerance=1%, Part_Number=Generic, Part_Type="Resistor SMT", Wattage=1/10W
R21C: library part Q-001-0323-29, "GPHF SMD RES. 20KOHM 1/10W 1% 0603", Manufacturer=Multi-Sourced, Temp_Coefficient=150ppm, Tolerance=1%, Part_Number=Generic, Part_Type="Resistor SMT", Wattage=1/10W
R23C R31B: library part Q-001-0026-26, "GPHF SMD RES. 82KOHM 1/10W 1% 0603", Manufacturer=Multi-Sourced, Temp_Coefficient=150ppm, Tolerance=1%, Part_Number=Generic, Part_Type="Resistor SMT", Wattage=1/10W
R24C: library part Q-001-0485-26, "GPHF SMD RES. 68KOHM 1/10W 1% 0603", Manufacturer=Multi-Sourced, Temp_Coefficient=150ppm, Tolerance=1%, Part_Number=Generic, Part_Type="Resistor SMT", Wattage=1/10W
R25C R26C R27C: library part Q-001-0242-29, "PS SMD RES. 22OHM 1/10W 5% 0603", Manufacturer=Multi-Sourced, Temp_Coefficient=150ppm, Tolerance=1%, Part_Number=Generic, Part_Type="Resistor SMT", Wattage=1/10W
R25E: library part Q-001-0313-27, "GPHF SMD RES. 16KOHM 1/10W 1% 0603", Manufacturer=Multi-Sourced, Temp_Coefficient=150ppm, Tolerance=1%, Part_Number=Generic, Part_Type="Resistor SMT", Wattage=1/10W
R26B: library part Q-001-0003-18, "PS SMD RES. 49.9KOHM 1/10W 1% 0603", Manufacturer=Multi-Sourced, Temp_Coefficient=150ppm, Tolerance=1%, Part_Number=Generic, Part_Type="Resistor SMT", Wattage=1/10W
R26E: library part Q-001-0990-2, "SMD RES. 40.2KOhm 1/10W 1% 0603", Manufacturer=Multi-Sourced, Temp_Coefficient=150ppm, Tolerance=1%, Part_Number=Generic, Part_Type="Resistor SMT", Wattage=1/10W